# Altium PCB CPU-board-multi-rev.0.1.PcbDoc (part 2 of 3)
Units mil, origin at the board's own origin, x right, y up, seen from the top; angles counter-clockwise.
Board outline 3911 x 2585 mil, 6 copper layers (L1, L2, L3, L4, CommonGND, L5); 321 components, 264 nets, 1048 pads, 397 vias.
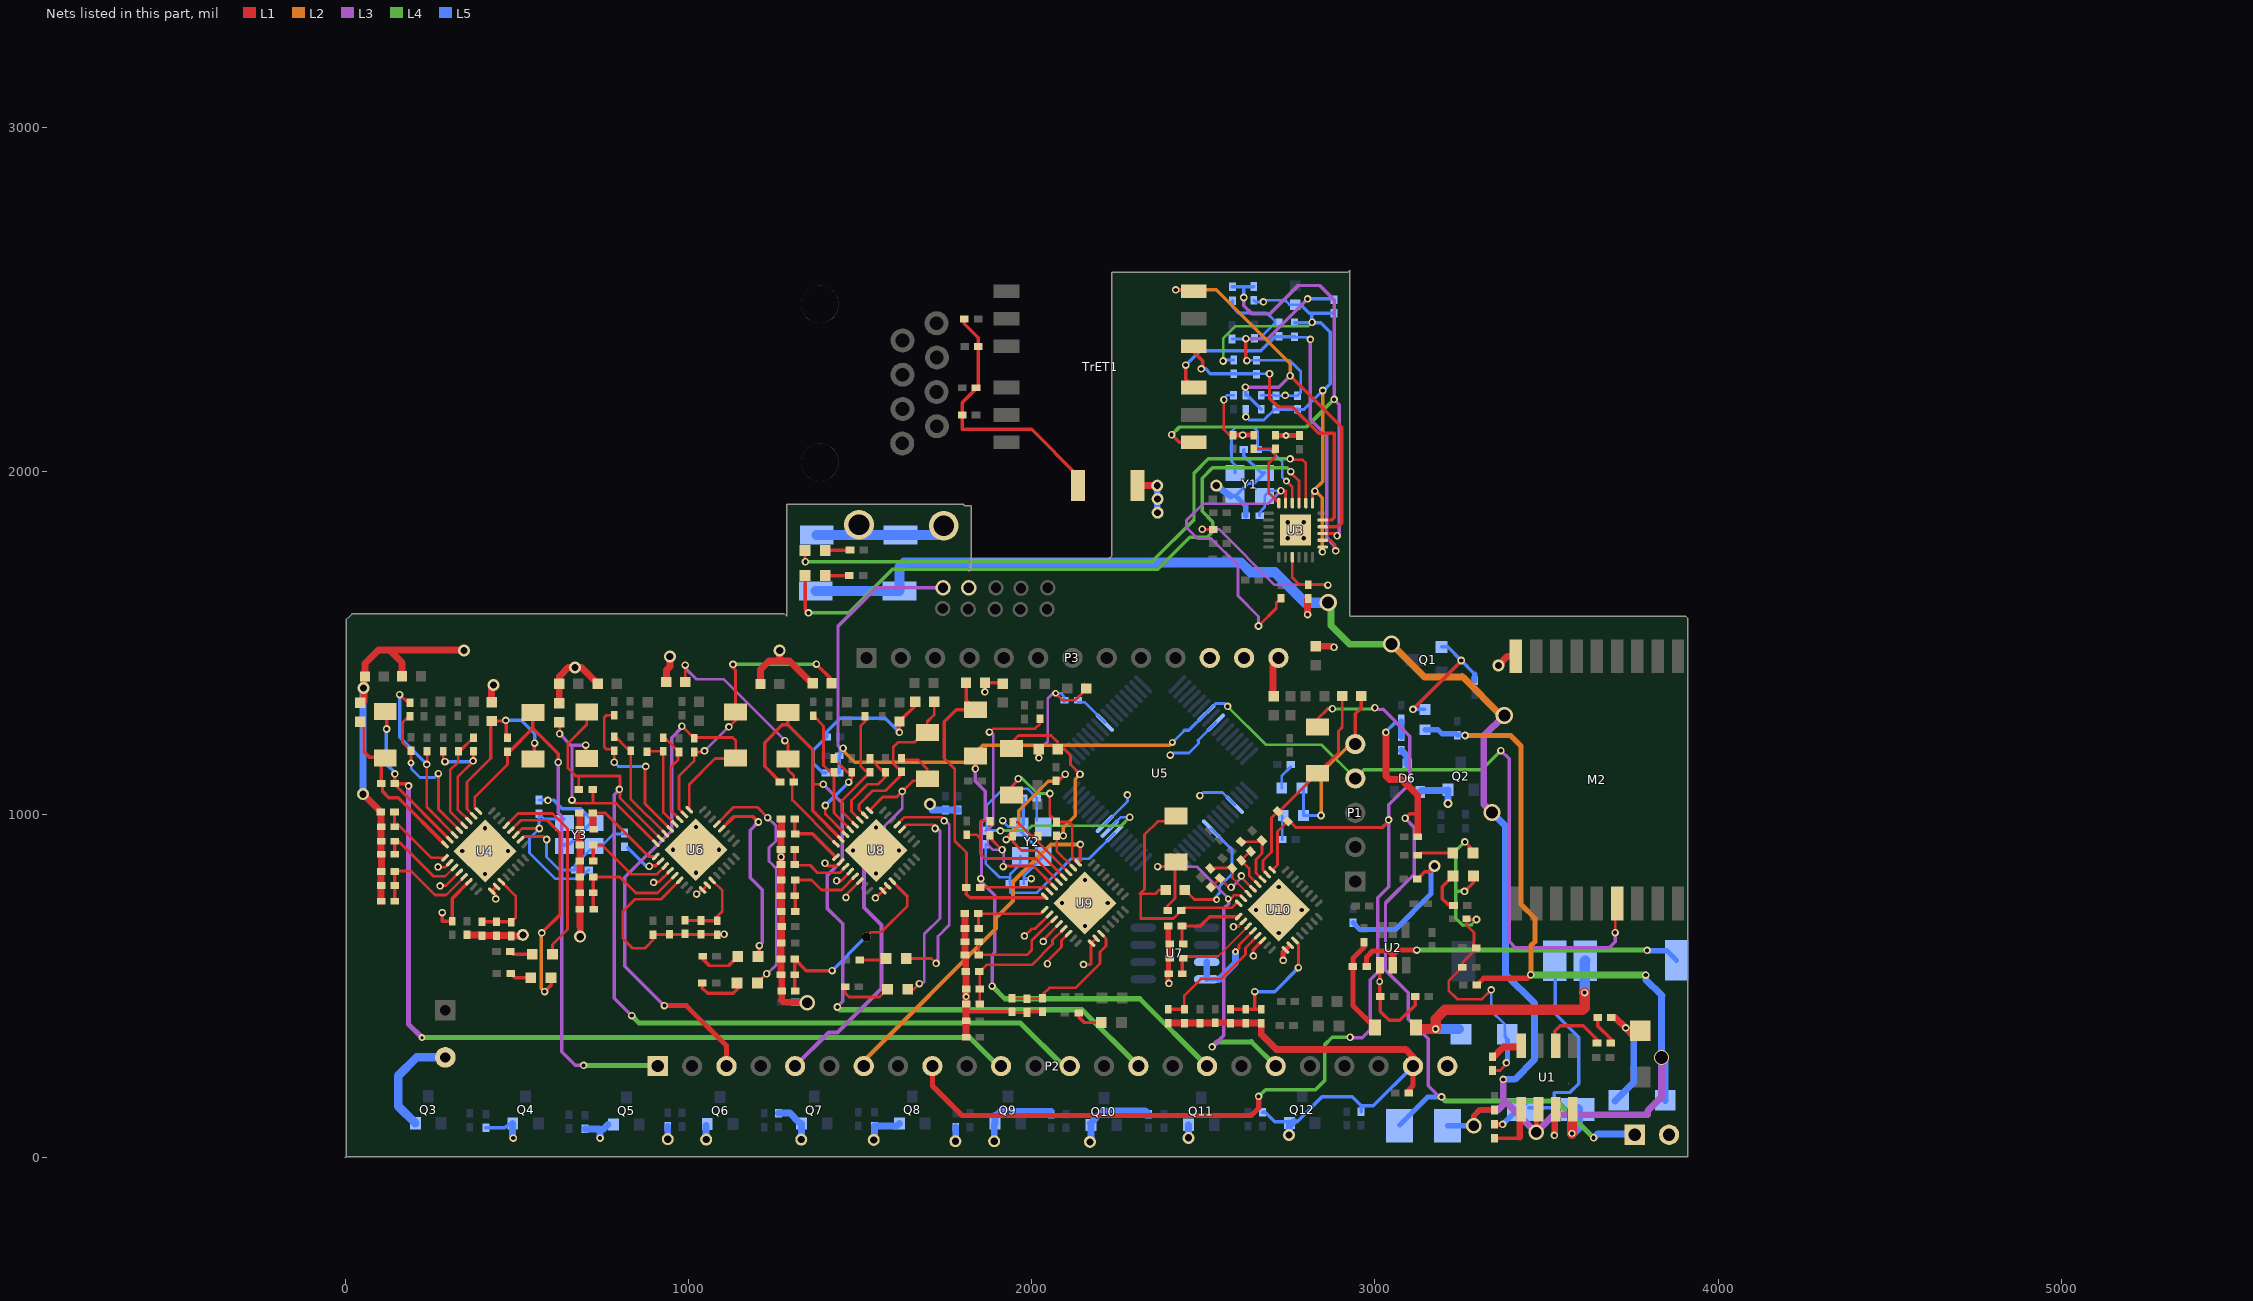
[diagram p6: the nets of this part, all layers, seen from the top]

## Via types
v1: diameter 22, hole 12, L1 to L5, 308 vias
v2: diameter 35, hole 21, L1 to L5, 29 vias
v3: diameter 22, hole 12, L1 to L5, tented top, 20 vias
v4: diameter 20, hole 10, L1 to L5, 14 vias
v5: diameter 45, hole 31, L1 to L5, 7 vias
v6: diameter 50, hole 35, L1 to L5, 4 vias
v7: diameter 25.98, hole 12.99, L1 to L5, tented top, 4 vias
v8: diameter 35, hole 22, L1 to L5, 3 vias
v9: diameter 22, hole 12, L2 to L5, 2 vias
v10: diameter 45, hole 37, L1 to L5, 1 vias
v11: diameter 45, hole 28, L1 to L5, 1 vias
v12: diameter 35, hole 20, L1 to L5, 1 vias
v13: diameter 25, hole 15, L1 to L5, 1 vias
v14: diameter 20, hole 12, L1 to L5, 1 vias
v15: diameter 25, hole 25, L1 to L5, 1 vias

## Nets (pads, with @x,y where several pads share a name; then routed paths per layer and width w, separated by ;. In a path a pad name is that pad's centre, name@x,y a point inside that pad or via, vN(x,y) a via of type N, cw(c..) or ccw(c..) an arc to the next point about the centre after c; other vN are vias at no path point) (continued)
GND: BT1.2 C3.2 C4.2 C5.2 C8.2 C9.2 C10.2 C11.2 C12.2 C13.2 C14.2 C15.2 C16.2 C17.2 C18.2 C19.2 C20.2 C21.2 C22.2 C23.2 C24.2 C25.2 C26.2 C27.1 C28.2 C29.2 C30.2 C31.2 C32.2 C33.2 C34.2 C36.1 C37.2 C38.1 C39.2 C40.2 C41.2 C42.2 C44.2 C45.2 C46.2 C47.2 C49.2 C50.2 C51.2 C52.2 C53.2 C55.2 C56.2 C57.1 C59.2 C60.2 C61.2 C62.2 C63.2 C64.2 C67.1 C69.2 C70.2 C71.2 C72.1 C74.2 C75.2 C77.2 C78.2 C79.2 C80.2 C81.2 C82.2 C86.2 C87.2 C88.2 C89.2 C91.2 C93.2 C95.2 C96.2 C97.2 C98.1 C99.2 C100.2 C104.2 C105.2 C106.2 C107.2 C108.2 C110.2 C111.2 C112.2 C113.2 C116.2 C117.2 C121.2 C122.2 C123.2 C124.2 D1.A D3.2 D6.A D7.2 D14.2 D15.2 L5.1 L6.1 L8.1 L9.1 L11.1 L12.1 L14.1 L15.1 L17.1 L18.1 L20.1 L21.1 L23.1 L24.1 L26.1 L27.1 L29.1 L30.1 L32.1 L33.1 M2.9 P1.5 P2.23 P2.24 P3.11 P3.12 P3.13 pad.0@1817,1660 pad.1@1497,1844 pad.1@1744,1841 pad.1@2366,1958 pad.1@3360,1434 pad.2 pad.12 pad.16 pad.17 pad.18 pad.19 pad.27 pad.31 pad.32 pad.34 Q2.E Q3.E Q4.E Q5.E Q6.E Q7.E Q8.E Q9.E Q10.E Q11.E Q12.E R6.1 R7.1 R8.1 R15.1 R21.1 R37.1 R51.1 R56.1 R62.1 R71.1 R76.1 R81.1 R93.1 R99.1 R105.1 R108.1 TB1-1.1 U1.4@3576.51,141.2 U2.1 U3.25 U4.18 U4.20 U4.22 U4.25 U4.26 U4.33 U5.9 U5.20 U5.25 U5.41 U6.18 U6.20 U6.22 U6.25 U6.26 U6.33 U7.3 U7.4 U8.18 U8.20 U8.22 U8.25 U8.26 U8.33 U9.18 U9.20 U9.22 U9.25 U9.26 U9.33 U10.18 U10.20 U10.22 U10.25 U10.26 U10.33 Y1.2 Y1.4 Y2.2 Y2.4 Y3.2 Y3.4 | length 16923.9
  L1 w8: pad.18@271,847 281,846 291.4,846 U4.18@305,859.59 ; pad.18@277,792 278,793 294.08,793 U4.20@332.84,831.75 ; U4.20@332.36,832.41 U4.20@332.84,832.75 ; C70.2@682,1004 C70.2@684,1002 ; pad.19@899,802 901.2,804.2 915.28,804.2 U6.20@946.84,835.75 ; U6.22@974.67,807.92 919.76,753 845,753 809,717 809,639 838,610 873,610 897,634 C57.1@897,650 C61.2@1084,650 ; pad.19@1025,768 1037.08,780.08 U6.25@1041.49,780.08 U6.26@1055.41,794 ; C61.2@1085,649 1104,649 v1(1104,651) ; L12.1@1360,1382 L12.1@1362,1382 ; pad.32@1397,853 pad.32@1397,858 ; pad.32@1398,858 1406,850 1432.4,850 U8.18@1444,861.59 ; pad.32@1431,806 1444.08,806 ; 1446.08,808 U8.20@1471.84,833.75 ; pad.32@1459,758 1459,765 U8.22@1499.67,805.67 ; pad.32@1545,757 1555,767 1556,767 1566.49,777.49 U8.25@1566.49,778.08 U8.26@1580.41,792 ; C106.2@1805,711 C106.2@1806,710 ; C105.2@1806,591 C105.2@1808,589 ; C93.2@1808,542 C93.2@1809,541 ; pad.34@1978,644 2001,667 2010.4,667 U9.18@2052,708.59 ; v1(2021,1165) L24.1@2021,1190 ; pad.34@2035,634 2034.08,633.08 2034.08,635 U9.20@2079.84,680.75 ; pad.34@2043,562 pad.34@2046,565 2046,573 2087,614 2087,632.24 U9.22@2107.67,652.92 ; v4(2070,1353) 2090,1333 2127,1333 2154,1360 L23.1@2154,1380 ; pad.34@2151,563 2171,563 ; 2173,565 2173,623.59 U9.25@2174.49,625.08 U9.26@2188.41,639 ; v1@2279,1052 v1(2279,1057) ; L33.1@2446,780 2474,752 v4(2539,752) ; v1(2560,2208) 2560,2121 2576,2105 ; pad.34@2588,673 2601.4,673 U10.18@2617,688.59 ; v4(2594,600) 2604,610 2604,619.92 U10.20@2644.84,660.75 ; v1@2624,2325 v1(2627,2322) ; C17.2@2711,2105 C17.2@2712,2104 ; 2733,598.59 U10.25@2736.49,603.08 ; v1(2739,2221) v1@2741,2219 ; pad.17@2741,2104 pad.17@2746,2104 ; v1(3296,694) 3268.69,694 C34.2@3266.69,696 3266.69,678.31 3289,656 3289,602 3255,568 R7.1@3255,555 3215,515 3215,487 3240,462 3312,462 v1(3339,489) ; C5.2@3343,254 3365,254 3382,271 v1(3383,276)
  L1 w10: L8.1@55,1399 L8.1@58,1402 ; C53.2@104,1007 C53.2@105,1006 ; C32.2@105,747 105,746.4 C32.2@107,744.4 ; C36.1@105,834 C36.1@106,835 ; C52.2@105,884 105,877 C52.2@106,876 ; pad.18@283,714 283,689 C29.2@312,689 312,755.24 U4.22@360.67,803.92 ; C30.2@350,644 C30.2@355,649 ; C27.1@397,649 C27.1@399,647 ; pad.18@438,752 439,753 pad.18@439,754 439,764.56 U4.25@427.49,776.08 U4.26@441.41,790 ; C39.2@483,647 C39.2@484,646 ; 684,673 685,672 ; pad.19@886,850 905.4,850 U6.18@919,863.59 ; C74.2@1270,625 C74.2@1271,626 ; C75.2@1271,673 C75.2@1272,674 ; C80.2@1271,717 C80.2@1272,716 ; v1@1615,1241 L17.1@1615,1271 1661,1317 L18.1@1661,1328 ; 1809,423.5 1810.5,425 C91.2@1943,425 ; v1(1864,1357) L27.1@1864,1384 1910,1384 L26.1@1916,1378 ; C91.2@1945,423 C99.2@1987,423 1989,425 C96.2@2032,425 ; v1@2624,2325 v1(2624,2386) ; pad.34@2646,588 2646,606.24 U10.22@2672.67,632.92 ; P1.5@2943,1205 2943,1293 2960,1310 L30.1@2960,1345 ; C9.2@3014.6,471.4 U2.1@3014.6,561 ; C9.2@3016,470 3016,426 3042,400 3073,400 3117,444 R21.1@3117,470 ; C3.2@3099,189 C3.2@3099,198 ; R15.1@3124,812 3145.5,833.5 3162.5,833.5 3174,845 v2(3174,850) ; v1(3261,776) 3262,776 3287,801 D3.2@3287,821 D3.2@3277.54,821 ; v1(3262,920) 3286.06,895.94 D7.2@3286.06,888 ; R8.1@3689,409 R8.1@3700,409
  L1 w14: U10.25@2736.49,603.08 U10.26@2750.41,617
  L1 w15: C121.2@2397,539 2397,511 pad.27@2400,508 pad.27@2401,507 ; C124.2@2398,675 2398,630 2399,629 2399,581 C121.2@2399,541 ; C13.2@2587,2105 pad.17@2615,2105 C16.2@2647,2105 ; C17.2@2712,2104 pad.17@2741,2104 ; pad.34@2733,575 2733,598.59 ; pad.17@2746,2104 R37.1@2780,2104 ; C3.2@3099,198 3111,210 P2.23@3111,267
  L1 w20: v2(52,1059) C53.2@104,1007 ; L9.1@55,1328 L8.1@55,1399 ; L8.1@58,1402 58,1440 97,1479 129,1479 ; C32.2@105,747 C28.2@105,793 C36.1@105,834 ; C52.2@105,884 C50.2@105,922 C51.2@105,964 C53.2@105,1006 ; C36.1@106,835 C52.2@106,876 ; L5.1@166,1403 166,1442 129,1479 ; v2(346,1478) 345,1479 129,1479 ; C30.2@355,649 C27.1@397,649 ; C27.1@399,647 C33.2@441,647 C39.2@483,647 ; L6.1@427,1327 427,1372 v2(432,1377) ; C39.2@484,646 pad.18@514,646 ; L15.1@624,1324 L14.1@624,1381 624,1402 650,1428 v2(670,1428) 689,1428 L11.1@736,1381 ; C71.2@683,911 C72.1@683,956 ; 684,673 C63.2@684,724 C71.2@684,910 ; C72.1@684,957 C70.2@684,1002 ; v2(685,644) 685,672 ; L21.1@936,1386 936,1421 946,1431 v2(946,1460) ; 1210,1397 1210,1422 1235,1447 1295,1447 L12.1@1360,1382 ; 1265,1449 1265,1477 v2(1266,1478) ; C79.2@1270,533 C81.2@1270,579 C74.2@1270,625 ; C78.2@1270,763 C82.2@1270,808 ; C86.2@1270,854 pad.32@1270,876 C88.2@1270,898 C87.2@1270,942 ; C74.2@1271,626 C75.2@1271,673 ; C80.2@1271,717 C78.2@1271,762 ; C82.2@1271,809 C86.2@1271,853 ; C87.2@1271,943 C89.2@1271,986 ; C79.2@1272,531 C77.2@1272,486 1272,459 1278,453 1344,453 v5(1346,451) ; C75.2@1272,674 C80.2@1272,716 ; C105.2@1806,591 C104.2@1806,629 C107.2@1806,668 C106.2@1806,710 ; C93.2@1808,542 C105.2@1808,589 ; C97.2@1809,351 C95.2@1809,399 1809,423.5 C98.1@1809,448 pad.32@1809,469.5 C100.2@1809,491 C93.2@1809,541 ; C22.2@2308.23,1958 pad.1@2366,1958 ; C116.2@2398,392 C111.2@2445,392 C110.2@2491,392 C108.2@2534,392 ; C108.2@2535,393 C113.2@2578,393 ; C113.2@2579,392 C117.2@2624,392 C112.2@2669,392 2669,359 2713,315 3090,315 3111,294 P2.23@3111,267 ; L32.1@2705,1344 2703,1346 2703,1440 P3.13@2719,1456 ; pad.34@2804,1582 C24.2@2804,1627 ; L29.1@2828,1490 2878,1490 pad.16@2881,1487 ; pad.1@3360,1434 3387,1461 M2.9@3410.56,1461 ; R8.1@3700,409 v1(3731,378) 3758,351 C8.2@3793,351
  L1 w30: pad.18@3574,70 pad.18@3574,71 U1.4@3574,139
  L3 w8: v1(1916,982) v1@1917,982 ; v1(2021,1165) 2021,1186 2047,1212 2047,1338 v4@2062,1353
  L3 w10: v1(2624,2386) 2688,2386 v1(2804,2502)
  L4 w8: 3256,677 3256,678 3282,678 3282,679 v1@3296,693
  L4 w10: pad.18@519,650 pad.18@520,651 ; 3256,677 3236,697 3236,776 ; v1(3261,776) 3236,776 ; v1(3262,920) 3236,894 3236,776
  L2 w8: pad.34@2034.08,634.92 pad.34@2035,634 ; pad.34@2043,562 pad.34@2046,565 ; pad.34@2646,583 pad.34@2646,588
  L2 w10: v1@2844,998 2844,1121 2928,1205 P1.5@2943,1205
  L2 w15: pad.27@2401,507 pad.27@2401,508
  L2 w20: v7(2745.59,1804.64) 2769.95,1829 2774,1829 v7@2788,1843
  L5 w8: v1(591,1041) v1@591,1042 ; v5@1344,453 v5(1346,451) ; v2(1704,1030) 1704,1019 1710,1013 ; v1(1916,982) 1916,981 1933,964 Y2.4@1967,964 ; Y2.4@1967,952.17 2015,904.17 2015,896.31 Y2.2@2033.93,877.39 2002.42,845.88 2002.42,844.94 1995.51,838.03 1994.57,838.03 1978,821.46 1978,817 1977,816 C47.2@1977,799 ; 1981,814 v1@1999,814 ; v4(2070,1353) 2085,1353 2095.31,1342.69 C46.2@2095.31,1333 C46.2@2095.31,1327 ; U5.41@2213.53,972.45 2279,1037.92 v1(2279,1057) ; v1(2404,1173) 2404,1179 2458,1179 2486,1207 2486,1214.92 2484.92,1216 U5.9@2536.47,1267.54 ; v1(2490,1055) 2499,1064 2556.27,1064 U5.20@2592.14,1028.13 ; U5.25@2522.55,958.53 2584,897.08 2584,827 2548,791 2548,772 2539,763 v4(2539,752) ; v1(2560,2208) 2560,2212 2569,2221 C44.2@2588,2221 ; C15.2@2584,2385 2647,2385 C23.2@2649,2387 2664,2387 2709,2432 2709,2437 2685,2461 2602,2461 2585,2478 C18.2@2585,2497 ; v1(2627,2322) 2628,2323 C20.2@2655,2323 2752,2323 2784,2291 2784,2229 C14.2@2775,2220 C12.2@2712,2220 2711,2221 C21.2@2669,2221 ; C11.2@2879,2502 C11.2@2881,2500 ; v1(3339,489) 3339,428 3378,389 3378.75,359.81 3378.82,357.02 C10.2@3379,350 ; C10.2@3383,350 3389,344 3389,282 v1(3383,276) C10.2@3383,350 ; C10.2@3383,350 3381,352 3383,352 C10.2@3383,350
  L5 w10: R51.1@410,87 465.7,87 Q4.E@476.7,98 ; C49.2@565,1042 591,1042 607.76,1042 632.76,1017 686,1017 Y3.4@725.55,977.45 ; Y3.2@638.94,908 638.94,913.94 654.71,913.94 715.7,974.93 Y3.4@725.55,974.93 ; 743,84 752.59,84 ; C55.2@823,903 877,849 pad.19@886,849 ; C67.1@1400,1121 1391,1121 1362,1150 1362,1185 C45.2@1403,1226 1403,1241 1442,1280 1574,1280 v1(1615,1239) ; Y2.4@1975,972 C42.2@1975,1048 ; U7.4@2510.04,519 U7.4@2546,519 ; Y1.4@2578.93,1928.07 2594.74,1928.07 2631.16,1964.49 2648.49,1964.49 Y1.2@2679,1995 2668.4,1995 2618,2045.4 C25.2@2618,2063 ; R105.1@2673,132 2681.1,132 2707.84,105.26 Q12.E@2744.85,105.26 ; Q12.E@2764.26,105.26 2774.26,105.26 2846,177 2934,177 2960,151 ; D14.2@2792.06,1072.94 D15.2@2792.06,997 v1(2843,997) v1@2844,998 ; v1(2804,2502) C11.2@2879,2502 ; R108.1@2960,134 2960,151 ; P2.23@3111,267 2995,151 2960,151
  L5 w15: 765.59,97 Q5.E@768.11,97 ; 1893.6,123.6 1907,137 R93.1@2057,137 ; Y1.4@2594.74,1928.07 2624,1898.81 C26.2@2624,1870 ; C38.1@2936,685 2956,665 3060,665 3163,768 3163,839 v2(3174,850)
  L5 w20: v2(52,1059) v2@52,1366 ; pad.18@488.2,58.8 Q4.E@488.2,100 ; R56.1@699,84 741,84 ; pad.18@743,57 743,82 ; 752.59,84 765.59,97 ; pad.18@940,54 R62.1@940,91 ; pad.18@1051,53 Q6.E@1051,93.8 ; R71.1@1263,130 1295.7,130 Q7.E@1322.7,103 ; C41.2@1312,453 v5@1344,453 ; pad.18@1329,53 1329.6,53.6 Q7.E@1329.6,99.26 ; pad.18@1540,52 1542.29,54.29 R76.1@1542.29,90.42 ; R76.1@1542,92 1607,92 Q8.E@1615,100 ; 1710,1013 C40.2@1749,1013 C37.2@1786,1013 ; pad.18@1778,48 1779,49 R81.1@1779,89 ; pad.18@1891,48 Q9.E@1891,96.66 ; Q9.E@1893.6,99.26 1893.6,123.6 ; pad.18@2170,46 2173.2,49.2 Q10.E@2173.2,95 ; Q10.E@2170.85,100.26 2207.59,137 2330,137 R99.1@2340,127 ; pad.2@2366,1880 pad.1@2366,1958 ; v2(2457,58) Q11.E@2457,96 ; U7.4@2510.04,522.52 U7.3@2510.04,570 ; pad.17@2538,1958 Y1.4@2578.93,1928.07 ; U7.4@2546,519 2594,567 v4(2594,600) ; v2(2750,66) 2751,67 Q12.E@2751,92 ; Q12.E@2751,101 Q12.E@2751,92 ; Q12.E@2764.26,105.26 Q12.E@2751,92 ; D6.A@3132,1065 3136.26,1069.26 Q2.E@3211,1069.26 ; v13(3213,1032) Q2.E@3213,1072 ; C4.2@3700,165 3754,219 3754,355 v1(3731,378)
  L5 w25: Q3.E@204.71,100.26 155,149.97 155,239 208.2,292.2 C31.2@292,292.2
  L5 w30: TB1-1.1@1374,1814 TB1-1.1@1618.09,1814 1727,1814 pad.1@1744,1841 ; pad.18@3574,71 3591,88 D1.A@3591,141
  other v1: 1999,813
  other v2: 54,1368
  other v3: 2720,655.19 2155,675.19 2653.19,722 2786.81,722 2088.19,742 2221.81,742 2720,788.81 2155,808.81 408,826.19 1547,828.19 1022,830.19 341.19,893 474.81,893 1480.19,895 1613.81,895 955.19,897 1088.81,897 408,959.81 1547,961.81 1022,963.81
  other v7: 2792.83,1804.64 2745.59,1851.88 2792.83,1851.88
NetBT1_1: BT1.1 D4.A R10.1 R11.2 R12.2 | length 2219.4
  L1 w10: v1(3088,989) 3089,989 3102,1002 3125,1002
  L1 w20: v1@3032,1235 3032,1112 3042,1102 3078,1102 3125,1055 3125,1002 R12.2@3125,935
  L3 w10: v1(3088,989) 3115,962 3115,826 3031,742 3031,546 3097,480 3097,404 3155,346 3155,210 3188,177 v1(3194,177)
  L4 w15: v1(3194,177) 3205.7,165.3 3529.7,165.3 v1(3637,58)
  L2 w10: v1(3032,1239) v1@3032,1241
  L5 w10: v1(3032,1239) 3032,1241 3056,1265 3073,1265
  L5 w15: D4.A@3072.24,95.24 3154,177 v1(3194,177)
  L5 w20: R11.2@3077,1227 R10.1@3077,1269 ; v1(3637,58) 3648,69 BT1.1@3776,69
NetC1_1: C1.1 U1.1 | length 152.2
  L1 w10: C1.1@3348,57 3419,57 3422,60
  L1 w20: 3422,60 U1.1@3422,137
NetC1_2: C1.2 D1.K L1.1 U1.3 | length 807.5
  L1 w10: v1(3523,65) v1@3524,66 ; U1.3@3524,110 U1.3@3524,139
  L1 w15: C1.2@3348,97 v1(3372,97)
  L1 w20: v1@3524,66 U1.3@3524,110
  L5 w10: D1.K@3447.52,146 3523,146 ; v1(3523,65) 3523,146 ; L1.1@3526,524.75 3526,419 3594,351 3594,216 3568,190 3523,190 3523,146
  L5 w15: v1(3372,97) 3431,156 D1.K@3437.52,156
NetC4_1: C4.1 D2.1 D4.K R1.2 R3.2 R4.2 TB1-2.1 U1.2 | length 6483.6
  L1 w15: v5(3288,93) 3288,122 3305,139 R1.2@3348,139 ; R3.2@3297,503 3317,523 3444,523 v1(3454,533) ; v5@3471,74 U1.2@3471,136
  L3 w15: v5(3288,93) 3288,122 3305,139 3359,139 ; 3374,170 3387.5,156.5 3376.5,156.5
  L3 w20: v6(3341,1006) 3317,1030 3317,1228 v6(3377,1288) ; 3359,139 3376.5,156.5 ; 3374,170 v1(3374,228) ; 3387.5,156.5 v5(3470,74) 3521,125 3795,125 3795,137 3835,177 v10(3835,292)
  L4 w20: v6(2864,1617) 2872,1609 2872,1550 2926,1496 v6@3049.3,1496 ; v1(3454,533) 3455,532 v1(3789,532)
  L2 w15: v1(3263,1230) 3395,1230 3426,1199 3426,738 3466,698 3466,629 3455,618 v1@3455,533
  L2 w20: v6(3048,1497) 3145,1400 3256,1400 ; 3254,1402 3256,1400 ; v6(3377,1288) 3368,1288 3256,1400
  L5 w15: D2.1@3146,1246.94 3183.94,1246.94 3195.89,1235 R4.2@3236,1235 ; D4.K@3212,93 v5(3288,93) ; R4.2@3240,1231 3262,1231 v1(3263,1230)
  L5 w20: v6(3341,1006) 3381,966 3381,534 3465,450 3465,286 3407.5,228.5 v1@3374,228.5 ; v1(3789,532) 3789,519 3836,472 3835,471 v10(3835,292) 3846,281 C4.1@3846,167
  L5 w30: TB1-2.1@1371,1651 TB1-2.1@1615.09,1651 1615.09,1720.09 1629,1734 2610,1734 2638,1706 2708,1706 2797,1617 v6(2864,1617)
NetC5_1: C5.1 U1.8 | length 93.4
  L1 w20: C5.1@3343,294 3345,294 3374,323 3423,323 U1.8@3424,324
NetC6_1: C6.1 U1.6 | length 192.6
  L1 w10: U1.6@3524,324 3524,369 3540,385 3607,385 3648,344
NetC6_2: C6.2 R8.2 | length 81.2
  L1 w10: R8.2@3649,409 3649,383.6 3688,344.6 3688,344
NetC7_1: C7.1 L2.1 U2.2 | length 992.5
  L1 w8: U2.2@3052,561 3052,589
  L1 w15: C7.1@2976,557 2976,585 2993,602 3039,602 3052,589 3068,605 v1@3120,605
  L4 w15: v1(3122,605) 3795,605 v1@3793,603
  L5 w15: v1@3793,603 3850.98,603 L2.1@3879,574.98
  other v1: 3793,604
NetC7_2: C7.2 D5.K R14.1 | length 288.8
  L1 w15: R14.1@2968,628 2968,613 2936,581 C7.2@2936,557 2936,443 D5.K@3000,379
NetC10_1: C10.1 D5.A L2.2 | length 734.6
  L1 w30: D5.A@3124,375 v1(3177,375) 3177,404 3204,431 3605,431 3611,437 v1(3611,481)
  L5 w30: v1(3177,375) C10.1@3244,375 ; v1(3611,481) 3611,571.75 L2.2@3613.25,574
NetC11_1: C11.1 C12.1 C14.1 L3.2 R23.2 R24.2 R25.2 R26.2 U3.1 U3.19 | length 1743.4
  L1 w8: v1@2617,2158 v1(2624,2158) ; v1@2671,2497 v1(2675,2493) ; U3.1@2818.42,1907 v1@2818.42,1938
  L4 w8: v1(2558,2321) 2558,2387 2593,2422 2805,2422 v1(2817,2434)
  L2 w10: v1(2847,1765) 2847,1922 2823.5,1945.5 2848,1970 v1(2848,2235)
  L5 w8: v1(2558,2321) 2561,2324 R25.2@2589,2324 ; v1(2624,2158) 2633,2149 2676.19,2149 C12.1@2707.19,2180 ; R23.2@2647,2498 2652,2493 v1(2675,2493) 2680,2498 2738,2498 2751,2485 L3.2@2768,2485 2784,2485 ; C14.1@2775,2180 2795,2180 2795,2182 v1(2848,2235)
  L5 w10: C12.1@2712,2180 C14.1@2775,2180 ; R24.2@2766,2432 v1@2816,2432 ; 2784,2485 2809,2460 2817,2460 ; v1@2816,2434 2816,2459 2817,2460 ; v1@2817,2432 2842,2432 2869.8,2404.2 2869.8,2254.8 v1@2849,2234 ; C11.1@2881,2460 2817,2460
  other v1: 2825,1942
NetC16_1: C16.1 C17.1 U3.6 | length 242.3
  L1 w8: C16.1@2647,2065 C17.1@2711,2065 2710,2064 2710,2043 2691,2024 2691,1936 U3.6@2720,1907
NetC18_1: C18.1 R23.1 TrET1.1 U3.21 | length 1766.3
  L1 w8: U3.21@2847.95,1818.42 v1@2892.58,1818.42
  L1 w10: v1(2408,2106) 2430,2084 TrET1.1@2472,2084
  L3 w10: v1(2618,2506) 2618,2482 2642,2458 2693.6,2458 2776.6,2541 2840,2541 2881,2500 v1(2881,2209) 2896,2194 v1@2896,1815
  L4 w10: v1(2408,2106) 2430.8,2128.8 2800.8,2128.8 v1(2881,2209)
  L5 w10: C18.1@2585,2537 2618,2537 ; v1(2618,2506) 2618,2537 ; R23.1@2647,2538 2646,2537 2618,2537
  other v1: 2890,1812
NetC19_1: C19.1 R24.1 TrET1.3 U3.20 | length 1179
  L1 w8: U3.20@2847.95,1798.73 2870.27,1798.73 2884,1785 2884,1770 v1(2886,1768)
  L1 w10: v1(2449,2309) 2449,2267 TrET1.3@2472,2244
  L3 w10: v1(2812,2384) 2812,2151 2860,2103 2860,1806 2881,1785 2881,1773 v1(2886,1768)
  L5 w8: R24.1@2766,2392 2768,2390 v1@2812,2390
  L5 w10: v1(2449,2309) 2491,2351 2668,2351 2709,2392 R24.1@2766,2392
NetC20_1: C20.1 R25.1 TrET1.4 U3.23 | length 870.3
  L1 w8: U3.23@2847.95,1857.79 2874.79,1857.79
  L1 w10: TrET1.4@2472,2364 2472,2347 2498,2321 2498,2299 2497,2298 v1(2494,2298) ; v1(2693,2284) 2693,2212 2718,2187 2759,2187 2836,2110 2882,2110 2882,1865 2874.79,1857.79
  L5 w8: C20.1@2654,2284 v1(2693,2284)
  L5 w10: v1(2494,2298) 2507,2298 2521,2284 R25.1@2589,2284 C20.1@2654,2284
NetC21_1: C21.1 R26.1 TrET1.6 U3.22 | length 1291.6
  L1 w10: v1(2420,2528) 2468,2528 TrET1.6@2472,2524 ; v1(2753,2278) 2903,2128 2903,1849 2892.1,1838.1 U3.22@2847.95,1838.1
  L3 w10: v1(2623,2245) 2720,2245 v1(2753,2278)
  L2 w10: v1(2420,2528) 2538,2528 2753,2313 v1(2753,2278)
  L5 w10: v1(2623,2245) 2624,2245 R26.1@2624,2221 2628.4,2221 2668.4,2181 C21.1@2669,2181
NetC22_1: C22.1 R27.2 R28.1 R33.1 R34.2 | length 779.4
  L1 w10: R33.1@1804,2443 1804,2430 1845,2389 R34.2@1845,2363 1845,2250 R27.2@1838,2243 1838,2240 1798,2200 R28.1@1798,2164 1798,2122 2000,2122 2135,1987 C22.1@2135,1958
NetC24_1: C24.1 R36.1 U3.15 | length 636.4
  L1 w8: v1(2497,1831) R36.1@2528,1831 ; U3.15@2759.37,1749.52 2759.37,1690.63 2781,1669 C24.1@2806,1669 2862,1669 v1(2863,1668)
  L3 w8: v1(2497,1831) 2546,1831 2708,1669 2862,1669 v1(2863,1668)
NetC25_1: C25.1 U3.4 Y1.1 | length 484.3
  L1 w8: v4(2742,1971) 2759.37,1953.63 U3.4@2759.37,1907
  L5 w8: Y1.1@2592.39,1995 2592.39,2018.61 2582,2029 2582,2116 2593.8,2127.8 2647.2,2127.8 2658,2117 C25.1@2658,2063 2695,2063 2730,2028 2730,1983 v4(2742,1971)
NetC26_1: C26.1 R35.1 U3.5 Y1.3 | length 1003.2
  L1 w8: v1@2663,1551 2712.76,1600.76 2712.76,1615.76 ; 2712.76,1617.3 2712.76,1615.76 ; v1(2726,1943) 2739.68,1943 U3.5@2739.68,1907 ; R35.1@2727,1630 2712.76,1615.76
  L3 w8: v1(2661,1549) 2661,1577 2601,1637 2601,1726 2523,1804 2483,1804 2451,1836 2451,1857 2499,1905 2688,1905 v1(2726,1943)
  L5 w8: C26.1@2664,1870 2664,1880 2679,1895 Y1.3@2679,1928.07 2693.93,1943 v1(2726,1943)
NetC27_2: C27.2 C33.1 C39.1 U4.27 | length 226
  L1 w8: U4.27@455.33,803.92 497,762.24 497,699 C39.1@484,686
  L1 w10: C27.2@399,687 C33.1@441,687 483,687 C39.1@484,686
NetC28_1: C28.1 C32.1 C36.2 U4.21 | length 339.6
  L1 w6: 293.92,765 U4.21@346.75,817.84
  L1 w8: C36.2@145,835 192,835 262,765 293.92,765
  L1 w10: C32.1@145,747 C28.1@145,793 C36.2@145,834
NetC35_1: C35.1 R42.1 U4.12 | length 303.8
  L1 w8: U4.12@346.75,968.16 345.84,968.16 306,1008 306,1129 330,1153 R42.1@330,1184 334,1184 C35.1@374,1224
NetC35_2: C35.2 R40.1 U4.11 | length 348.4
  L1 w8: R40.1@286,1184 286,1159 v1(291,1154) ; U4.11@360.67,982.08 328,1014.76 328,1109 v1@374,1155 ; v1@374,1156 C35.2@374,1184
  L5 w8: v1@371,1154 v1(373,1156)
  L5 w10: v1(291,1154) v1@371,1154
NetC42_1: C42.1 R46.2 U5.40 Y2.1 | length 823.7
  L4 w8: v1@1904,953 1987,953 2001,967 2261,967 v1(2286,992)
  L5 w8: R46.2@1866,953 R46.2@1869,953 ; v1@1904,953 R46.2@1869,953 ; Y2.1@2015,982.93 C42.1@2015,1048 1988,1075 1918,1075 1869,1026 R46.2@1869,953 ; U5.40@2227.46,959.46 2260,992 v1(2286,992)
  other v1: 1909,952
NetC43_1: C43.1 L6.2 R45.2 U4.10 | length 575.1
  L1 w8: U4.10@374.59,996 355,1015.6 355,1094 424,1163 ; L6.2@424,1269 L6.2@427,1272 v1@468,1272
  L1 w10: 424,1163 L6.2@424,1269 ; C43.1@470,1223 v1@470,1275 ; R45.2@551,1162 v1@551,1203
  L5 w10: v1(468,1274) 513,1274 552,1235 v1(552,1208)
NetC43_2: C43.2 P2.1 R45.1 U4.9 | length 1642
  L1 w8: U4.9@388.51,1009.92 378,1020.44 378,1051 473,1146 C43.2@473,1183 C43.2@479,1183
  L1 w10: C43.2@479,1183 547,1251 ; R45.1@547,1297 547,1251 ; v1(621,1152) 621,1177 547,1251
  L3 w10: v1(621,1152) 621,1005 631,995 631,309 671,269 v1(695,269)
  L4 w8: P2.1@909,269 P2.1@911,267
  L4 w15: v1(695,269) P2.1@909,269
  L2 w8: P2.1@909,269 P2.1@911,267
NetC46_1: C46.1 U5.56 | length 101.5
  L5 w8: C46.1@2136.69,1327 2154.08,1327 U5.56@2213.53,1267.55
NetC47_1: C47.1 R46.1 U5.39 Y2.3 | length 652.5
  L5 w8: R46.1@1866,913 1866,857 1906,817 1937,817 ; C47.1@1937,799 1937,816 ; Y2.3@1967,877.39 1967,856 1938,827 1938,772.25 2016.25,772.25 2115,871 2167.76,871 U5.39@2241.37,944.61
NetC48_1: C48.1 R50.1 U4.13 | length 465.5
  L1 w8: v4(192,1150) R50.1@192,1185 167,1210 167,1268 186,1287 C48.1@195,1287 ; v1(272,1119) 272,1015.08 U4.13@332.84,954.25
  L5 w8: v4(192,1150) 193,1149 193,1133 218,1108 261,1108 v1(272,1119)
NetC48_2: C48.2 R47.1 U4.14 | length 552.4
  L1 w8: v1(159,1349) 181,1327 C48.2@189,1327 ; R47.1@239,1184 239,1147 v1(238,1146) 238,1021.24 U4.14@318.92,940.33
  L5 w10: v1(159,1349) 159,1225 v1(238,1146)
NetC49_1: C49.1 R52.2 U4.3 Y3.3 | length 490.2
  L1 w8: U4.3@497.08,940.33 515.76,959 v1@559,959
  L5 w8: v1@565,959 C49.1@565,1002 579.94,987.06 Y3.3@638.94,987.06 ; v1(566,959) 537,930 537,888 612,813 684.19,813 709.19,838 R52.2@710,838
NetC50_1: C50.1 C52.1 U4.19 | length 264.8
  L1 w6: 292,820 U4.19@317.67,845.67
  L1 w8: C50.1@155,922 257,820 292,820
  L1 w10: C52.1@145,884 C50.1@145,922 C50.1@155,922 ; U4.19@317.67,845.67 U4.19@318.92,845.67
NetC51_1: C51.1 C53.1 U4.17 | length 222.3
  L1 w8: C51.1@153,972 251.49,873.51 U4.17@291.08,873.51
  L1 w10: C53.1@144,1007 144,965 C51.1@145,964
NetC54_1: C54.1 L9.2 R53.2 U4.16 | length 494.4
  L1 w10: L9.2@55,1273 55,1183 71,1167 R53.2@126,1167 ; R53.2@105,1146 C54.1@105,1090 109,1086 109,1067 127,1049 154.56,1049 U4.16@291.08,912.49
NetC54_2: C54.2 P2.11 R53.1 U4.15 | length 2969.8
  L1 w8: R53.1@121,1297 R53.1@126,1302 ; C54.2@145,1090 145,1086.4 U4.15@305,926.41 ; v1(145,1118) v1@147,1120
  L1 w10: v1(121,1249) R53.1@121,1297 ; v1(145,1118) C54.2@145,1090 178,1090 v1(185,1083)
  L3 w15: v1(185,1083) 185,389 v4(224,350)
  L4 w8: P2.11@1903,267 P2.11@1911,267
  L4 w15: v4(224,350) 1820,350 P2.11@1903,267
  L5 w8: v1@120,1248 v1(121,1249)
  L5 w10: v1@120,1248 120,1147 v1@147,1120
NetC55_1: C55.1 R52.1 U4.2 Y3.1 | length 436.3
  L1 w8: U4.2@511,926.41 520.6,936 578,936 v1(587,927)
  L5 w8: v1(587,927) 587,876 625,838 R52.1@670,838 670,852.45 Y3.1@725.55,908 ; Y3.1@718.61,908.07 747.07,908.07 782,943 C55.1@814,943
NetC59_1: C59.1 C62.1 C63.1 U6.21 | length 372.6
  L1 w8: C59.1@723,818 800.16,818 847.08,771.08 910,771.08 U6.21@960.75,821.84
  L1 w10: C59.1@723,818 C62.1@723,772 723,725 C63.1@724,724
NetC60_1: C60.1 C61.1 C64.1 U6.27 | length 229.8
  L1 w8: U6.27@1069.33,807.92 1099,778.24 1099,718 1084,703 C61.1@1084,690
  L1 w10: C64.1@991,691 C60.1@1037,691 1038,690 C61.1@1084,690
NetC65_1: C65.1 R58.1 U6.12 | length 272.8
  L1 w8: R58.1@880,1184 C65.1@927,1184 927,1005.92 U6.12@960.75,972.16
NetC65_2: C65.2 R55.1 U6.11 | length 277.6
  L1 w8: C65.2@927,1224 931,1224 R55.1@973,1182 ; R55.1@970,1181 970,1159 949,1138 949,1011.76 U6.11@974.67,986.08
NetC66_1: C66.1 L12.2 R61.2 U6.10 | length 841.6
  L1 w8: U6.10@988.59,1000 973,1015.6 973,1112 1017,1156 C66.1@1017,1182 v1@1044,1182 ; v1@1046,1184 v1(1047,1185) ; v1(1118,1255) 1137,1274 R61.2@1137,1299 1137,1420 v1@1129,1428 ; L12.2@1417,1382 L12.2@1417,1394
  L1 w10: v1(1373,1438) L12.2@1417,1394
  L3 w8: v1(1047,1185) 1117,1255 v1(1118,1255)
  L4 w8: v1@1129,1428 1132,1428 1142,1438
  L4 w10: 1142,1438 v1(1373,1438)
  other v1: 1130,1437
NetC66_2: C66.2 P2.3 R61.1 U6.9 | length 1680.8
  L1 w8: v1@976,1252 987,1252 C66.2@1017,1222 1019,1224 1129,1224 1138,1215 R61.1@1138,1165 ; U6.9@1002.51,1013.92 1002.51,1087.51 1078,1163 R61.1@1136,1163
  L1 w15: v1(930,443) 994,443 1111,326 P2.3@1111,267
  L3 w10: v1(930,443) 815,558 815,817 951,953 951,1223 v1@980,1252
  other v1: 981,1257
NetC67_2: C67.2 M2.15 P1.4 pad.0@1742,1660 R59.1 U5.7 | length 3908.7
  L1 w8: v1(3700,656) M2.15@3700,732.89
  L3 w10: v1@1443,1194 1436,1201 1436,1548 1548,1660 pad.0@1742,1660 ; v1(3367,1186) 3391,1162 3391,630 3409,612 3683,612 3700,629 v1(3700,656)
  L4 w8: v1(2571,1315) 2683,1203 2845,1203 P1.4@2943,1105
  L4 w10: P1.4@2943,1105 2968,1130 3311,1130 v1(3367,1186)
  L2 w10: v1@1443,1194 1485,1152 1808,1152 1858,1202 2402,1202 v4(2410,1210)
  L5 w8: v4(2410,1210) 2445,1245 ; U5.7@2508.63,1295.39 2536.24,1323 2563,1323 v1(2571,1315)
  L5 w10: C67.2@1440,1121 R59.1@1440,1171 ; R59.1@1443,1174 v1@1443,1194 ; 2445,1245 2458.24,1245 U5.7@2508.63,1295.39
  other v1: 1451,1193
NetC68_1: C68.1 R66.1 U6.13 | length 497.1
  L1 w8: v1(784,1152) C68.1@784,1186 784,1190 761,1190 755,1196 755,1282 762,1289 R66.1@784,1289 ; v1(876,1140) 874,1138 874,1031.08 U6.13@946.84,958.25
  L5 w8: v1(784,1152) 796,1140 v1(876,1140)
NetC68_2: C68.2 R63.1 U6.14 | length 344.9
  L1 w8: C68.2@784,1230 R63.1@826,1188 ; R63.1@832,1188 R63.1@832,1186 832,1045.24 U6.14@932.92,944.33
NetC69_1: C69.1 C71.1 U6.19 | length 301.9
  L1 w8: C71.1@723,911 748,911 833,826 909.24,826 U6.19@932.92,849.67
  L1 w10: C69.1@723,864 C71.1@723,911
NetC70_1: C70.1 C72.2 U6.17 | length 283.3
  L1 w8: C70.1@722,1004 758,1004 884.49,877.51 U6.17@905.08,877.51
  L1 w20: C70.1@722,1004 722,959 C72.2@724,957
NetC73_1: C73.1 L15.2 R72.2 U6.16 | length 651.5
  L1 w8: v1(625,1235) L15.2@625,1268 ; v1(661,1042) 670.72,1032.28 722,1032.28 ; C73.1@722,1072 722,1032.28 ; U6.16@905.08,916.49 789.28,1032.28 722,1032.28
  L1 w10: R72.2@701,1166 v1(701,1202)
  L3 w10: v1(625,1235) 658,1202 ; v1(661,1042) 661,1202 v1(701,1202)
NetC73_2: C73.2 P2.13 R72.1 U6.15 | length 2637.2
  L1 w8: C73.2@681,1073 681,1112 ; R72.1@704,1298 704,1262 649,1207 649,1135 672,1112 681,1112 ; U6.15@919,930.41 801,1048.4 801,1112 681,1112
  L3 w10: v1@797,1071 784,1058 784,465 v1(835,414)
  L4 w8: P2.13@2093,267 P2.13@2111,267
  L4 w15: v1(835,414) 857,392 1968,392 P2.13@2093,267
  other v1: 799,1073
NetC77_1: C77.1 C79.1 C81.1 U8.27 | length 597.1
  L1 w8: v15(1518,643) 1532,657 1562,657 1638,733 1638,762.24
  L1 w10: C77.1@1312,486 1310,488 C79.1@1310,533 C81.1@1310,579 1344,545 v1@1418,545 ; U8.27@1594.33,805.92 1638,762.24
  L5 w10: v1(1419,545) v15@1513,639
NetC78_1: C78.1 C80.1 C82.1 U8.21 | length 296.1
  L1 w8: C82.1@1311,809 1359,809 1388,780 1445.92,780 U8.21@1485.75,819.84
  L1 w10: C80.1@1311,717 1311,762 C78.1@1310,763 1310,808 C82.1@1311,809
NetC83_1: C83.1 R77.1 U8.12 | length 387.7
  L1 w8: U8.12@1485.75,970.16 1447,1008.92 1447,1041 C83.1@1529,1123 1520,1123 1502,1141 1502,1258 1515,1271 R77.1@1515,1286
NetC83_2: C83.2 R74.1 U8.11 | length 269.9
  L1 w8: U8.11@1499.67,984.08 1475,1008.76 1475,1041 1522,1088 1553,1088 1574,1109 R74.1@1574,1123 1569,1123 C83.2@1529,1163
NetC84_1: C84.1 L18.2 R78.2 U8.10 | length 491.4
  L1 w8: U8.10@1513.59,998 1497,1014.6 1497,1029 1537,1069 1574,1069 1621.59,1116.59 C84.1@1617.59,1120.59 ; C84.1@1621,1124 1597,1148 1597,1196 1611,1210 1658,1210 R78.2@1687,1239 ; R78.2@1696,1239 1696,1270 1716,1290 L18.2@1716,1328
NetC84_2: C84.2 P2.5 R78.1 U8.9 | length 1311.4
  L1 w8: U8.9@1527.51,1011.92 1566.39,1050.8 1603.44,1050.8 1604.24,1050 1606,1050 v1(1623,1067) 1654,1098 R78.1@1706,1098 ; C84.2@1626,1159 1670,1159 1696,1133 R78.1@1696,1104
  L3 w8: 1512,884.21 1571.79,944 1571.79,966 1589.46,983.67 1589.67,983.67 1623,1017 v1(1623,1067)
  L3 w12: P2.5@1311,267 1409,365 1435,365 1563,493 1563,678 1512,729 1512,884.21
NetC85_1: C85.1 R83.1 U8.13 | length 382.3
  L1 w8: R83.1@1364,1288 1394,1258 1394,1143 1414,1123 C85.1@1424,1123 1424,1004.08 U8.13@1471.84,956.25
NetC85_2: C85.2 R80.1 U8.14 | length 305.5
  L1 w8: v1(1399,1026) 1399,1001.24 U8.14@1457.92,942.33 ; C85.2@1424,1163 1464,1123 R80.1@1476,1123 1476,1103 v1(1467,1094)
  L5 w10: v1(1399,1026) v1(1467,1094)
NetC86_1: C86.1 C88.1 U8.19 | length 206.8
  L1 w8: C86.1@1312,852 1355,852 1377,830 1441,830 1457.92,846.91 U8.19@1457.92,847.67
  L1 w10: C86.1@1310,854 C88.1@1310,898
NetC87_1: C87.1 C89.1 U8.17 | length 191.4
  L1 w10: C89.1@1310,987 1310,944 1361.59,944 U8.17@1430.08,875.51
NetC90_1: C90.1 L21.2 R85.2 U8.16 | length 777.3
  L1 w8: L21.2@991,1386 v1@991,1426 ; v1(1281,1215) 1290,1206 R85.2@1290,1162 1290,1130 1307,1113 C90.1@1307,1095 ; C90.1@1303,1091 1303,1041.56 U8.16@1430.08,914.49
  L3 w8: v1@991,1426 1023,1394 1102,1394 v1(1281,1215)
  other v1: 991,1435
NetC90_2: C90.2 P2.15 R85.1 U8.15 | length 2346.9
  L1 w8: 1364,1088 v1(1393,1088)
  L1 w10: C90.2@1267,1095 1222,1140 1222,1209 1274,1261 1289,1261 1362,1188 1362,1010.4 U8.15@1444,928.41 ; 1290,1261 R85.1@1290,1297
  L3 w10: v1(1393,1088) 1448,1033 1448,866 1404,822 1404,727 1450,681 1450,456 1434,440 v1(1434,439)
  L4 w15: v1(1434,439) 1442,431 2147,431 P2.15@2311,267
NetC91_1: C91.1 C96.1 C99.1 U9.27 | length 405.8
  L1 w8: C91.1@1943,465 1945,463 C99.1@1987,463 2030,463 C96.1@2032,465 2032,475 2052,495 2128,495 2199,566 2199,599 2217,617 2217,638.24 U9.27@2202.33,652.92
NetC93_1: C93.1 C98.2 C100.1 U9.21 | length 399
  L1 w8: C98.2@1849,448 C100.1@1849,491 1849,541 C93.1@1848,542 1868,562 2001,562 2061,622 2061,634.08 U9.21@2093.75,666.84
NetC94_1: C94.1 R89.1 U9.12 | length 565
  L1 w8: v1(1925.94,926.8) 1922.2,926.8 v1@1922,927 ; R89.1@2071,1098 2079,1098 v1(2098,1117) ; U9.12@2093.75,817.16 2015.92,895 1971,895 1945,921 C94.1@1945,937 1932,937 v1@1922,927 ; v1@1922,927 1920,925 1919.2,925.8 1919,925.8 1920.2,927 v1@1922,927
  L2 w10: v1(1925.94,926.8) 1922.2,926.8 1963,967.6 1963,1010.6 2049,1096.6 2077.6,1096.6 v1(2098,1117)
NetC94_2: C94.2 R87.1 U9.11 | length 233.2
  L1 w8: C94.2@1945,977 1960,977 2000,937 R87.1@2019,937 2019,919.76 U9.11@2107.67,831.08
NetC101_1: C101.1 L24.2 R90.2 U9.10 | length 631.6
  L1 w8: R90.2@1942,1192 1942,1210 1962,1230 2057,1230 2076,1211 L24.2@2076,1190 2077,1189 2096,1189 2113,1172 2113,1145 v1(2141,1117) ; v1(2092,938) C101.1@2073,938 2073,893.6 U9.10@2121.59,845
  L2 w10: v1(2092,938) 2092,961 2127,996 2127,1103 v1(2141,1117)
NetC101_2: C101.2 P2.7 R90.1 U9.9 | length 1439.6
  L1 w8: R90.1@1942,1057 1942,1082 1961,1101 v1(1961,1104) ; v1(2053,1061) 2053,998 C101.2@2073,978 2109,978 2118,969 2118,876.44 U9.9@2135.51,858.92 2142,865.41
  L1 w10: 2142,865.41 v1(2142,913)
  L4 w8: v1(1961,1104) 1968,1104 1971,1107 2017,1061 v1(2053,1061)
  L2 w8: P2.7@1511,267 P2.7@1511,282
  L2 w12: P2.7@1511,282 1896.5,667.5 1896.5,698.5 1946,748 1946,804 2011,869 2012,869 2056,913 v1(2142,913)
NetC102_1: C102.1 R95.1 U9.13 | length 428.9
  L1 w8: R95.1@1811,941 1839,941 1851,929 ; C102.1@1877,982 1854,982 1851,979 1851,929 ; U9.13@2079.84,803.25 2011.08,872 1864,872 1851,885 1851,929
NetC102_2: C102.2 R92.1 U9.14 | length 857.2
  L1 w8: v1(1877,1240) 1878.8,1240 1888.8,1250 2010,1250 2024,1264 R92.1@2024,1279 ; C102.2@1879,940 1879,932 v1(1914,897) ; v1(1917,848) 1917,852 1919,854 1919,856 1925,850 2005.24,850 U9.14@2065.92,789.33
  L3 w8: v1(1877,1240) 1878.8,1240 1880.8,1242 1888,1234.8 1888,971 1872,955 1872,912 1887,897 v1(1914,897) 1919,892 1919,854 1917,852 v1(1917,848)
NetC103_1: C103.1 L27.2 R96.2 U9.16 | length 957.7
  L1 w8: 1746,1163 1776,1133 1776,923 1810,889 C103.1@1810,787
  L1 w10: 1746,1163 1746,1270 1781,1305 R96.2@1837,1305 1810,1332 L27.2@1810,1383 ; C103.1@1810,787 1810,768 1821,757 2033.59,757 U9.16@2038.08,761.49
NetC103_2: C103.2 P2.17 R96.1 U9.15 | length 1656.8
  L1 w8: v1(1836,1133) v1@1837,1133 ; v1@1851,806 1851,788 2039.4,788 U9.15@2052,775.41
  L1 w10: v1@1837,1133 R96.1@1837,1170
  L3 w10: v1(1836,1133) 1836,1097 1865,1068 1865,988 1854,977 1854,809 1851,806 1852,806 1893,765 1893,598 1885,590 v1(1885,500)
  L4 w15: v1(1885,500) 1922,463 2315,463 P2.17@2511,267
  other v1: 1852,813
NetC104_1: C104.1 C105.1 U9.19 | length 314.8
  L1 w8: C104.1@1846,629 C105.1@1846,591 1986,591 2000.5,605.5 2000.5,632.5 U9.19@2063.67,695.67
NetC106_1: C106.1 C107.1 U9.17 | length 241.3
  L1 w8: C107.1@1846,668 1845,669 C106.1@1845,711 2026.56,711 U9.17@2038.08,722.51
NetC111_1: C111.1 C116.1 U10.21 | length 384.9
  L1 w8: C111.1@2445,432 2445,473 2493,521 2552,521 2623,592 2623,611.08 U10.21@2658.75,646.84
  L1 w10: C116.1@2398,432 C111.1@2445,432
NetC112_1: C112.1 C113.1 C117.1 U10.27 | length 383.4
  L1 w10: C113.1@2579,432 C117.1@2624,432 2646,432 ; v1(2650,484) 2650,436 2646,432 ; C112.1@2669,432 2646,432 ; U10.27@2767.33,632.92 2777.39,622.85 v1(2777.39,553.61)
  L5 w10: v1(2650,484) 2707.78,484 v1(2777.39,553.61)
NetC114_1: C114.1 R104.1 U10.12 | length 127.2
  L1 w8: C114.1@2638,892 2636.57,892 R104.1@2610.28,865.72 2633.8,842.2 2633.8,822.12 U10.12@2658.75,797.16
NetC114_2: C114.2 R101.1 U10.11 | length 190.5
  L1 w8: C114.2@2609.72,920.28 2667.28,920.28 R101.1@2671,924 2671,886 2654,869 2654,829.76 U10.11@2672.67,811.08
NetC118_1: C118.1 L30.2 R106.2 U10.10 | length 623.4
  L1 w8: U10.10@2686.59,825 2674,837.6 2674,866 2699,891 2699,990.28 2715.72,1007 2720,1007 R106.2@2833,1120 2894,1181 2894,1243 2905,1254 L30.2@2905,1345
NetC118_2: C118.2 P2.9 R106.1 U10.9 | length 3297.6
  L1 w8: U10.9@2700.51,838.92 2701.92,838.92 2716,853 2716,950 C118.2@2746,980 2752,980 2770,962 ; R106.1@2833,1255 2833,1278 2863,1308 v1(2876,1308)
  L1 w10: 2770,962 3022,962 v1@3040,980
  L1 w15: P2.9@1711,267 1711,209 1797,123 2640,123 2661.5,144.5 v1(2661.5,178.5)
  L3 w8: v1(3000,1311) 3005,1306 3024,1306
  L3 w10: v1(2928,351) 2929,351 2930,350 2963,350 2986,373 2986,518 3008,540 3008,757 3040,789 v1(3040,984) 3040,1028 3102,1090 3102,1228 3024,1306
  L4 w8: v1(2876,1308) 2863,1308 2862,1307 3000,1307 v1(3000,1311)
  L4 w10: v1(2661.5,178.5) 2681.34,198.34 2827,198.34 2853.33,224.67 2853.33,328.33 2876,351 v1(2928,351)
NetC119_1: C119.1 R111.1 U10.13 | length 210.2
  L1 w8: R111.1@2522,788 2523,788 C119.1@2549,814 2574,789 2574,790 2578,786 2583,786 v1(2581,788) ; v1(2611,821) 2609,821 2609,819.08 U10.13@2644.84,783.25
  L3 w8: v1(2581,788) 2583,786 2578,786 2574,790 2586,790 2609,813 2609,821 v1(2611,821)
NetC119_2: C119.2 R109.1 U10.14 | length 157.9
  L1 w6: 2584.28,815.96 U10.14@2630.92,769.33
  L1 w8: C119.2@2520.72,842.28 2522.15,843.72 R109.1@2584.28,843.72 2584.28,815.96
NetC120_1: C120.1 L33.2 R112.2 U10.16 | length 727.1
  L1 w8: 2316,769 2329,782 2329,941 2368,980 R112.2@2414,980 ; L33.2@2390,781 2373,781 2361,769 2318,769 2318,696.8 2412.8,696.8 C120.1@2436,720 2444,728 2582.59,728 U10.16@2598.08,743.49
NetC120_2: C120.2 P2.19 R112.1 U10.15 | length 1151.6
  L1 w8: v1(2367,848) 2411,848 2417.8,841.2 2417.8,754.8 2396,733 C120.2@2396,720 ; v4@2574,755.41 2580.82,755.41 2589.89,764.47 2607.93,764.47 U10.15@2617,755.41
  L3 w8: v1(2367,848) 2481,848 v4@2574,755
  L3 w10: v1(2526,323) 2540,337 2541,337 2560,356 2560,726 2574,740 v4@2574,755
  L4 w15: v1(2526,323) 2540,337 2639,337 ; 2640,338 P2.19@2711,267
  other v4: 2573,754
NetC121_1: C121.1 C123.1 U10.19 | length 273.1
  L1 w6: 2542.24,586 U10.19@2630.92,674.67
  L1 w8: C123.1@2439,586 2542.24,586
  L1 w10: C123.1@2439,586 2439,543 C121.1@2440,542
NetC122_1: C122.1 C124.1 U10.17 | length 221.5
  L1 w10: C122.1@2438,630 C124.1@2438,675 2491,675 2518.51,702.51 U10.17@2603.08,702.51
NetD2_2: D2.2 Q1.B R9.2 | length 389.2
  L1 w10: v1(3111,1306) v1@3253.5,1448.5 ; v1(3251.5,1448.5) v1@3253.5,1448.5 ; v1@3254.5,1448.5 v1@3253.5,1448.5
  L5 w10: v1(3111,1306) D2.2@3146,1306 ; Q1.B@3194,1488 3212,1488 v1(3251.5,1448.5) 3291,1409
  L5 w15: R9.2@3291,1389 3291,1409
NetD3_1: D3.1 R2.2 | length 120.5
  L1 w10: D3.1@3227.94,821 3196,789.06 3196,755 3216,735 R2.2@3229,735
NetD6_K: D6.K R11.1 | length 49
  L5 w20: R11.1@3077,1187 3094,1170 D6.K@3094,1145
NetD7_1: D7.1 R20.2 | length 104.9
  L1 w8: R20.2@3125,881 3132,888 D7.1@3227,888
NetD8_1: D8.1 R38.1 | length 69.9
  L1 w10: D8.1@1399.06,1696 R38.1@1469,1696
NetD8_2: D8.2 U3.3 | length 1939.1
  L1 w8: v1(2755,1999) 2755,1995.05 2779.05,1971 ; U3.3@2779.05,1907 2779.05,1971 ; 2779.05,1973 2779.05,1971
  L1 w10: D8.2@1340,1696 1340,1597 v1(1350,1587)
  L4 w10: v1(1350,1587) 1467,1587 1595,1715 1595,1714 2368,1714 2461,1807 2512,1807 2528,1823 2528,1852 2497,1883 2497,1980 2527,2010 2744,2010 v1(2755,1999)
NetD9_1: D9.1 R39.1 | length 71
  L1 w10: D9.1@1400,1770 R39.1@1471,1770
NetD9_2: D9.2 U3.2 | length 1816.2
  L1 w8: D9.2@1339.94,1769 1339.94,1737.06 v1(1341,1736) ; v1(2753,2036) 2756,2033 2789,2033 2798.74,2023.26 2798.74,1946.32 2798.62,1946.2 2798.62,1929.8 2798.74,1929.68 U3.2@2798.74,1907
  L4 w10: v1(1341,1736) 1563.77,1736 1563.97,1736.2 2350.2,1736.2 2473,1859 2473,1994 2515,2036 v1(2753,2036)
NetD10_1: D10.1 R43.1 | length 67.3
  L1 w10: R43.1@481,601 489,593 D10.1@545,593
NetD10_2: D10.2 U4.5 | length 595.6
  L1 w8: U4.5@469.25,968.16 504.08,1003 604,1003 648,959 648,665.4 604.06,621.46 D10.2@604.06,593
NetD11_1: D11.1 R44.1 | length 64.4
  L1 w10: R44.1@482,537 495,524 D11.1@541,524
NetD11_2: D11.2 U4.4 | length 705.6
  L1 w8: U4.4@483.16,954.25 511.92,983 589,983 626,946 626,708
  L1 w10: v1(573,655) 626,708 ; v1(581,484) 600.06,503.06 D11.2@600.06,524
  L2 w10: v1@572,655 572,493 v1(581,484)
NetD12_1: D12.1 R69.2 | length 128.6
  L1 w8: 1060,559 1117,559
  L1 w10: R69.2@1042,587 1042,579 1061,560 ; 1118,560 D12.1@1144,586
NetD12_2: D12.2 U6.4 | length 544.1
  L1 w10: U6.4@1097.16,958.25 1132.92,994 1188,994 v1(1204,978) ; D12.2@1207,589.94 v1(1207,618)
  L3 w10: v1(1204,978) 1180,954 1180,816 1215,781 1215,626 v1(1207,618)
NetD13_1: D13.1 R70.2 | length 140.2
  L1 w10: R70.2@1041,509 1041,494 1056,479 1131,479 D13.1@1151.5,499.5
NetD13_2: D13.2 U6.5 | length 714.1
  L1 w8: U6.5@1083.25,972.16 1132.08,1021 1201,1021 v1(1231,991) ; D13.2@1201.06,509 1228,535.94 v1(1228,536)
  L3 w8: v1(1228,536) 1229,535 1256,562 1256,843 1235,864 1235,903 1255,923 1255,967 v1(1231,991)
NetD14_1: D14.1 R68.1 | length 72.8
  L5 w8: D14.1@2728.94,1077 2728.94,1112.94 R68.1@2755,1139
NetD15_1: D15.1 R67.1 | length 67
  L5 w8: R67.1@2730,927 D15.1@2730,994
NetD16_1: D16.1 R84.1 | length 156
  L1 w8: R84.1@1457,498 1457,479 1468,468 1556.94,468 D16.1@1579.94,491
NetD16_2: D16.2 U8.4 | length 651.3
  L1 w8: U8.4@1622.16,956.25 1635.92,970 1716,970 1719,967 v1(1719,959) ; D16.2@1639,491 1657,491 v1(1673,507)
  L3 w8: v1@1677,511 1687,511 1687,651 1733,697 1733,953 1719,967 v1(1719,959)
NetD17_1: D17.1 R86.1 | length 78.6
  L1 w8: R86.1@1499,576 1571.94,576 D17.1@1575.94,580
NetD17_2: D17.2 U8.5 | length 694.8
  L1 w8: U8.5@1608.25,970.16 1630.08,992 1739,992 1749,982 1748,981 v1(1745,981) ; D17.2@1635,580 1707.8,580 v1(1721.8,566)
  L3 w8: v1(1721.8,566) 1727,566 1727,645 1760,678 1760,971 1749,982 1748,981 v1(1745,981)
NetD18_1: D18.1 R98.1 | length 84.6
  L1 w3.94: 2137,410 R98.1@2137,422
  L1 w10: 2137,410 2153,394 D18.1@2203,394